# Altium PCB PCB2.PcbDoc (part 1 of 2)
Units mm, origin at the board's own origin, x right, y up, seen from the top; angles counter-clockwise.
Board outline 84.64 x 39.24 mm, 4 copper layers (Top Layer, Mid Layer 1, Mid Layer 2, Bottom Layer), stack 0.603 mm thick; 97 components, 60 nets, 298 pads, 184 vias.
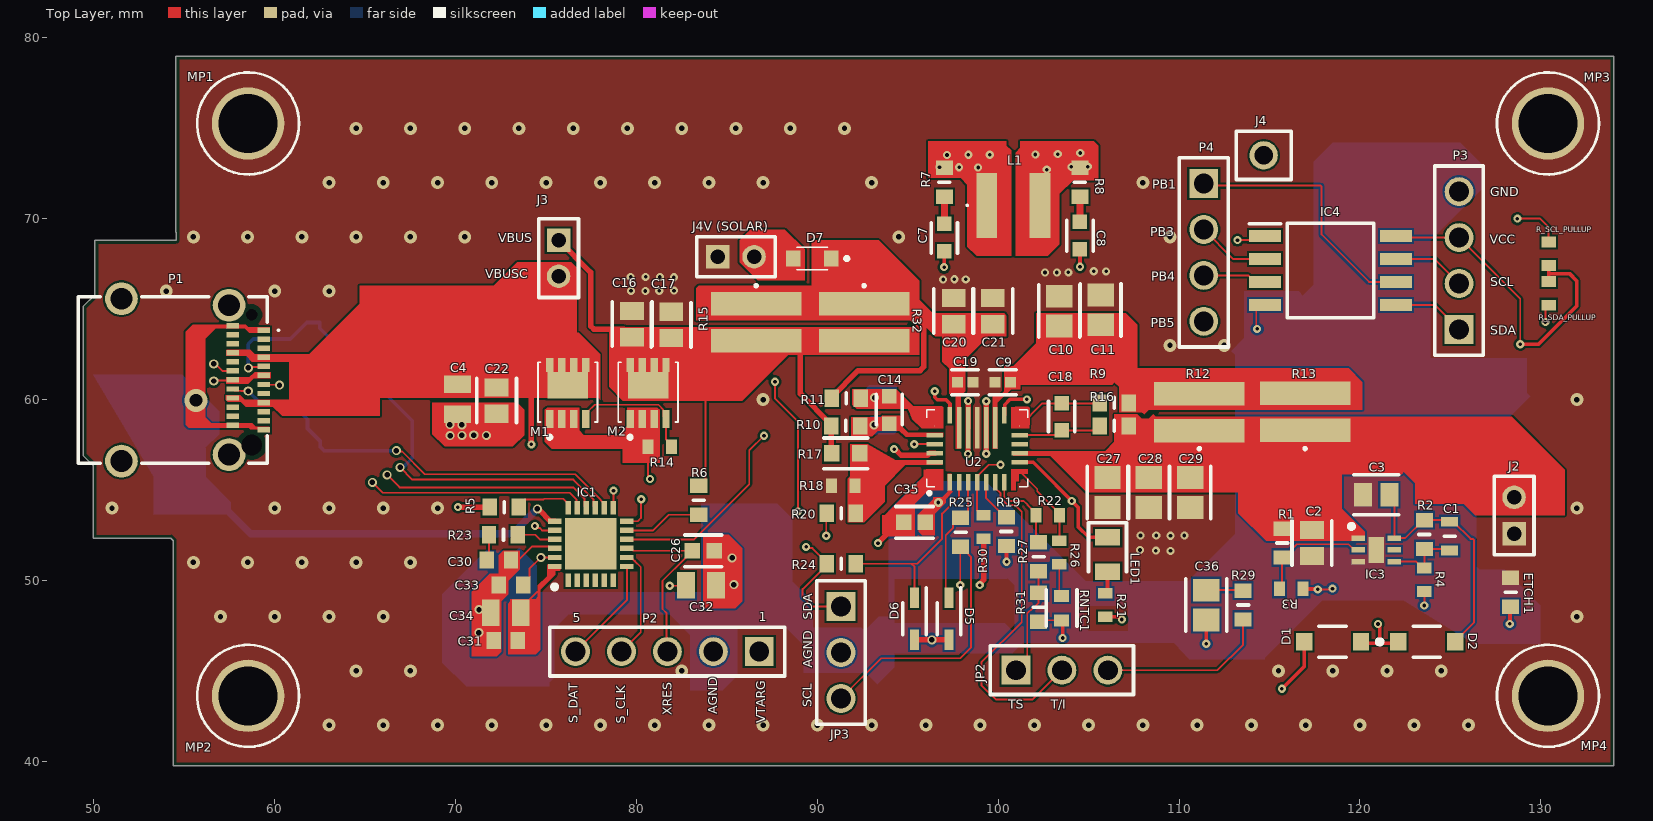
[diagram p0: Top Layer view]
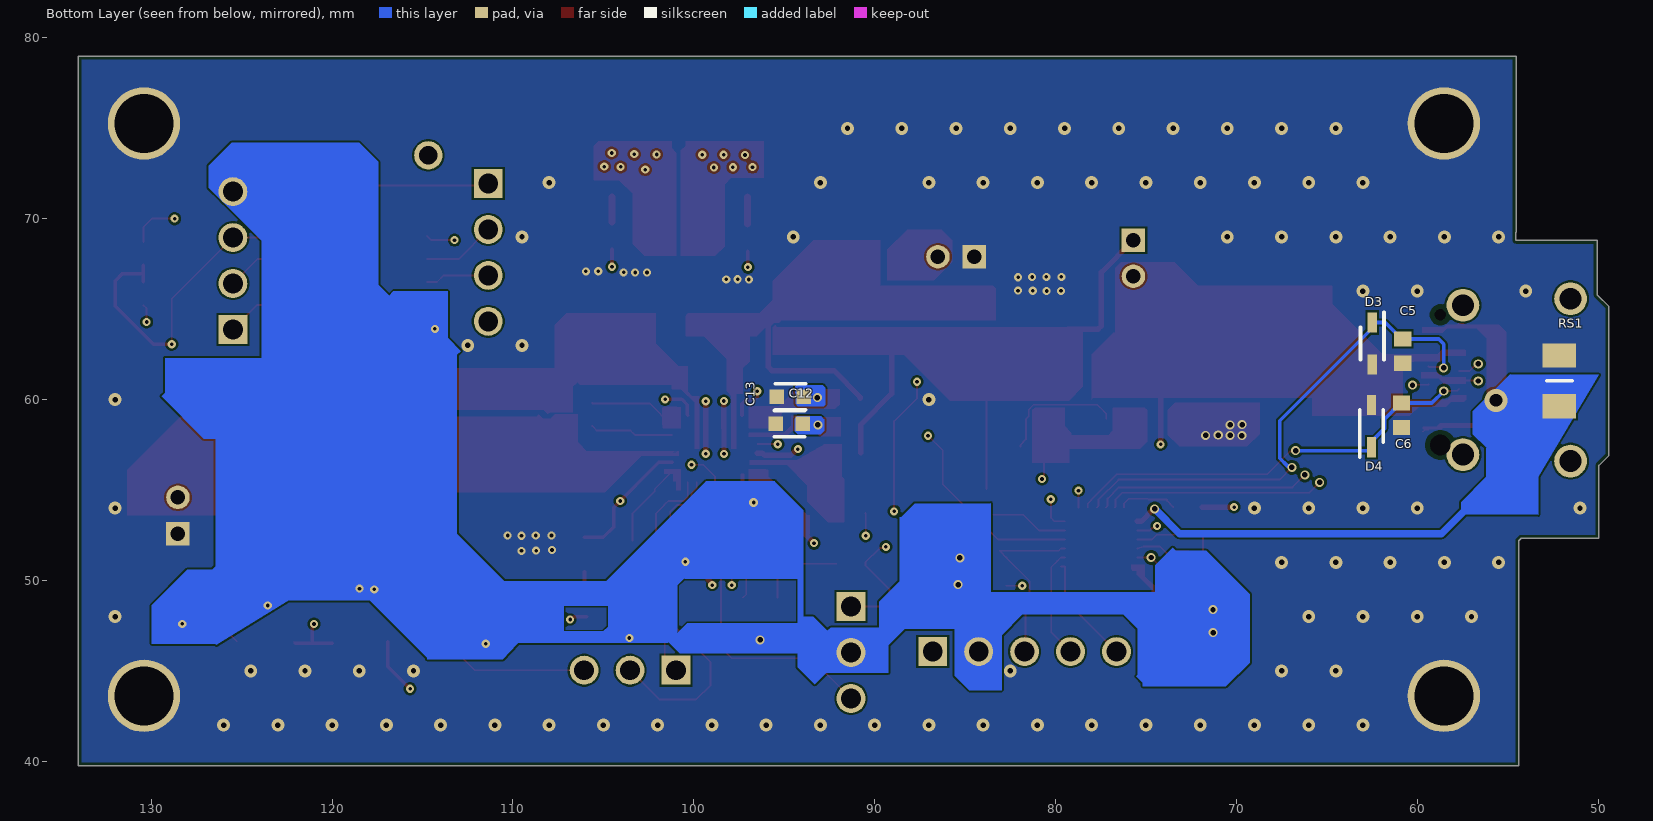
[diagram p1: Bottom Layer view, seen from below]
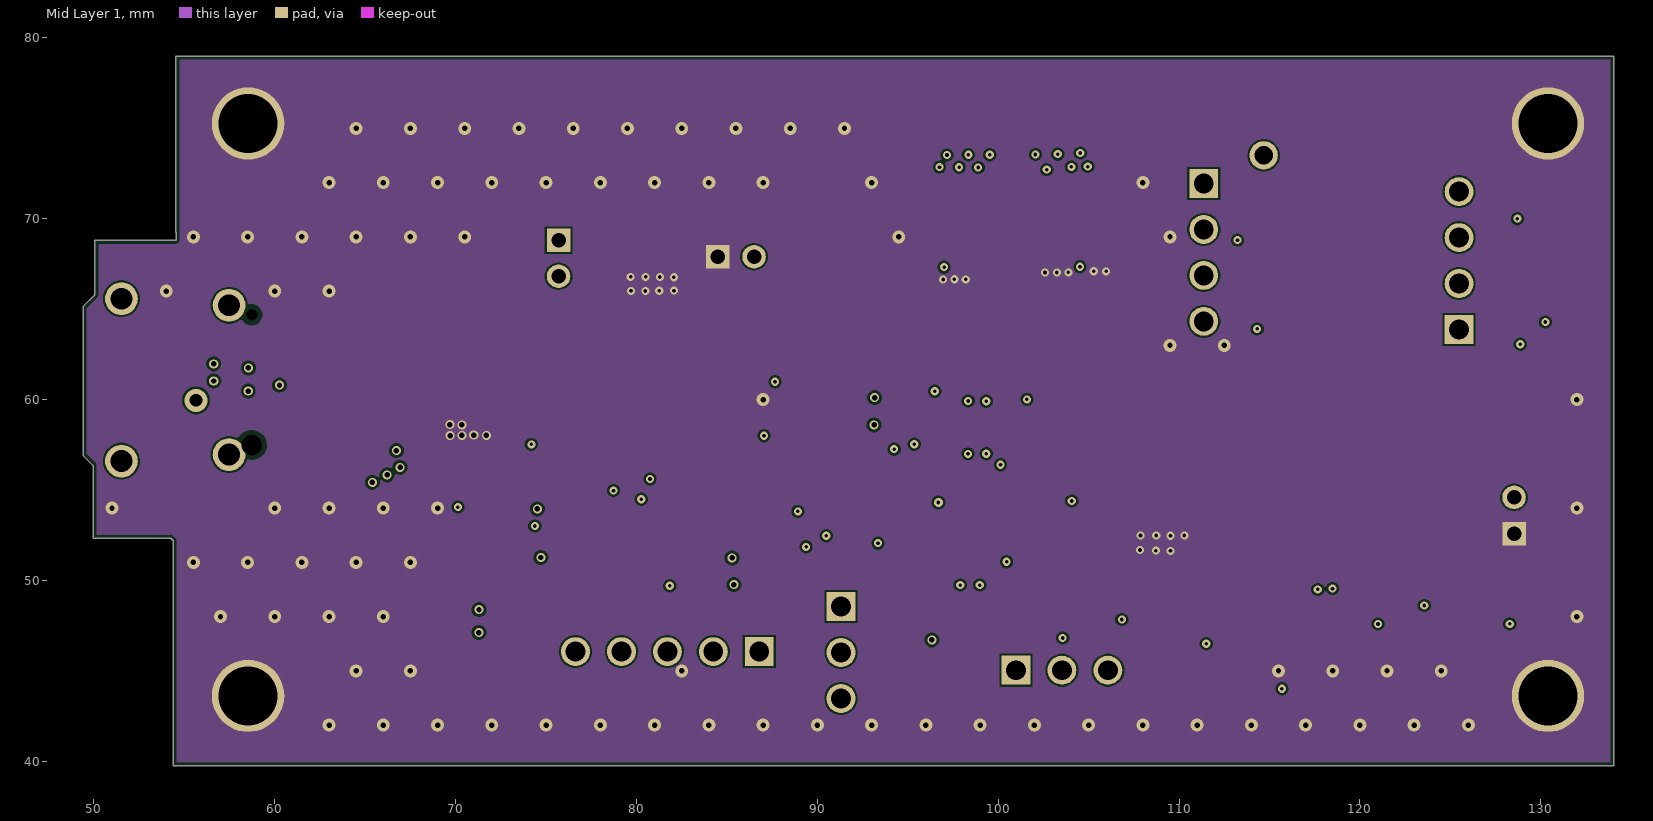
[diagram p2: Mid Layer 1]
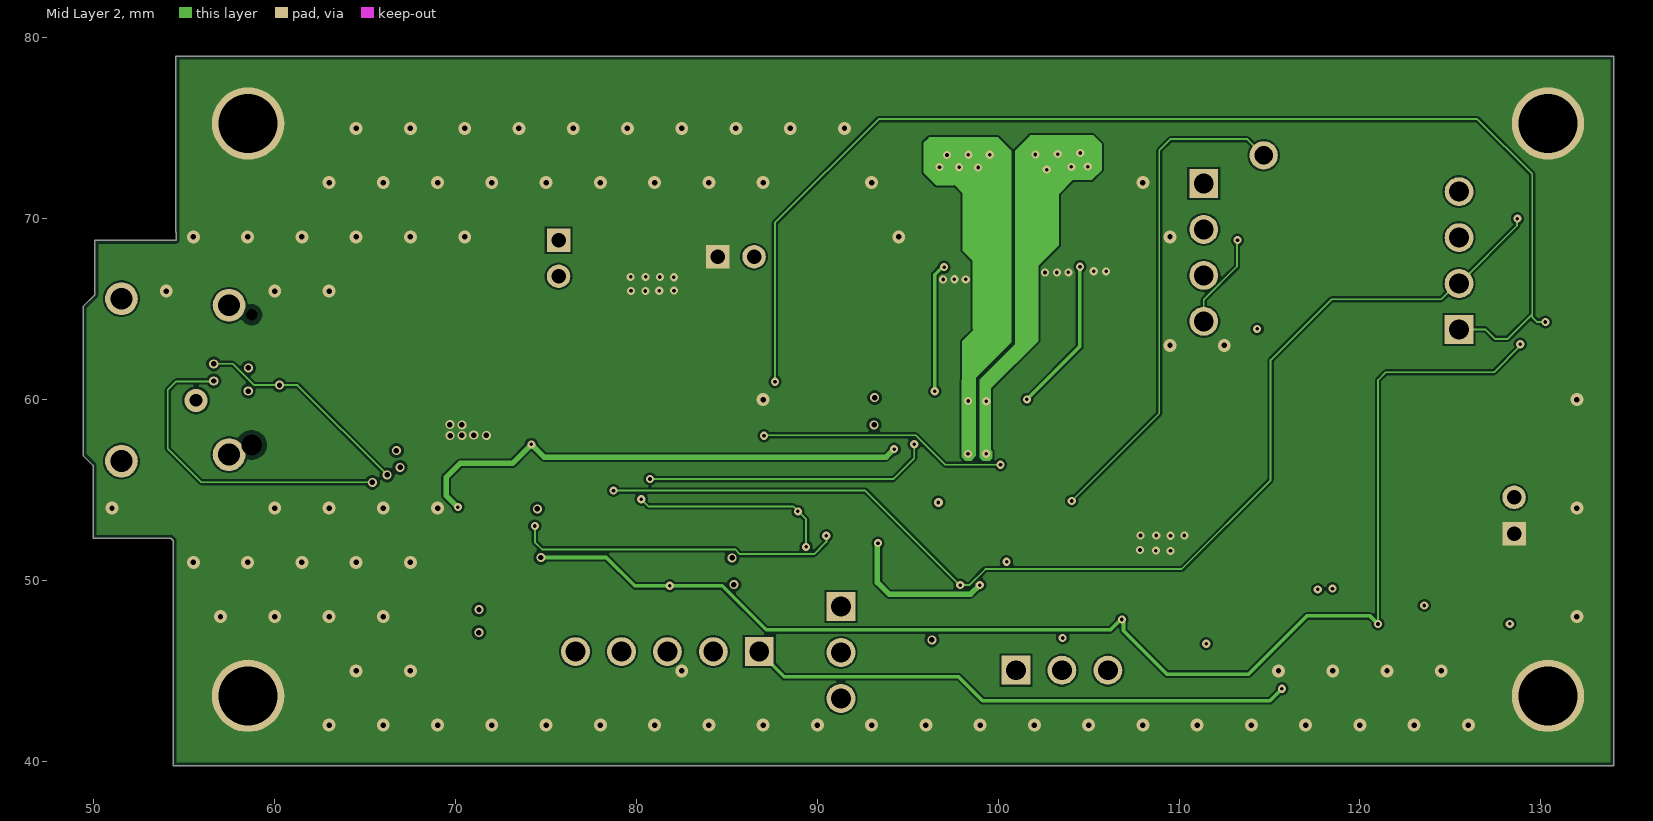
[diagram p3: Mid Layer 2]
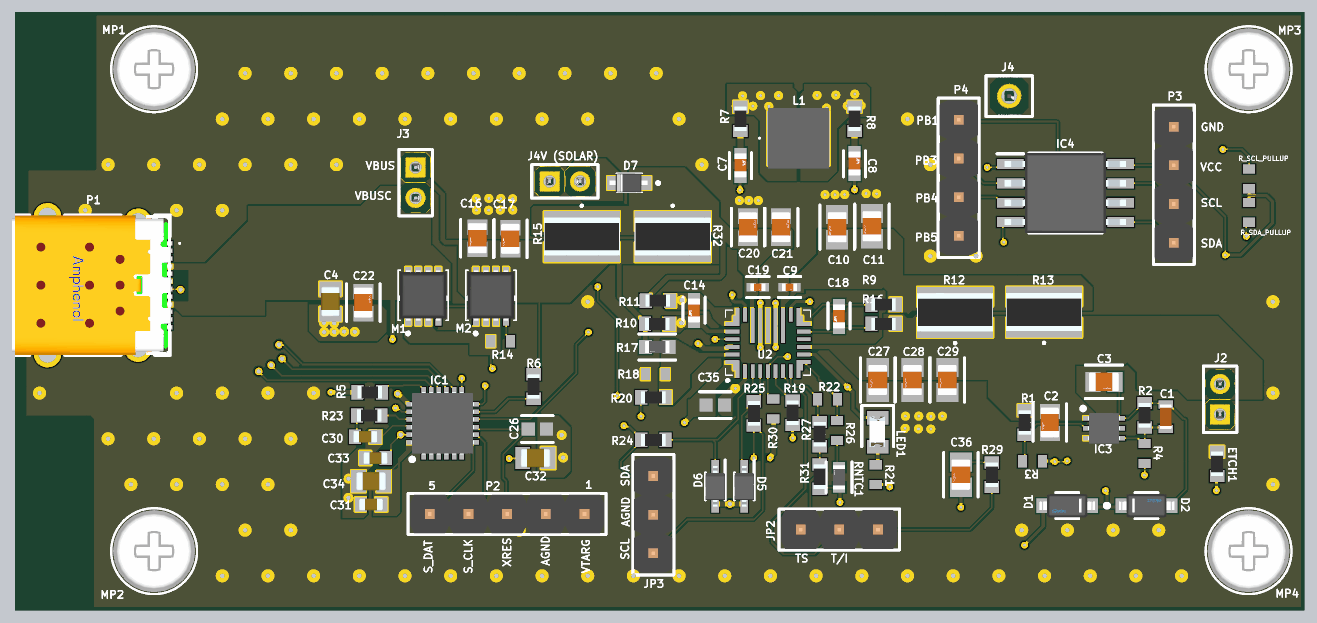
[diagram p5: 3D render of the assembled board from above, using the file's embedded part models]
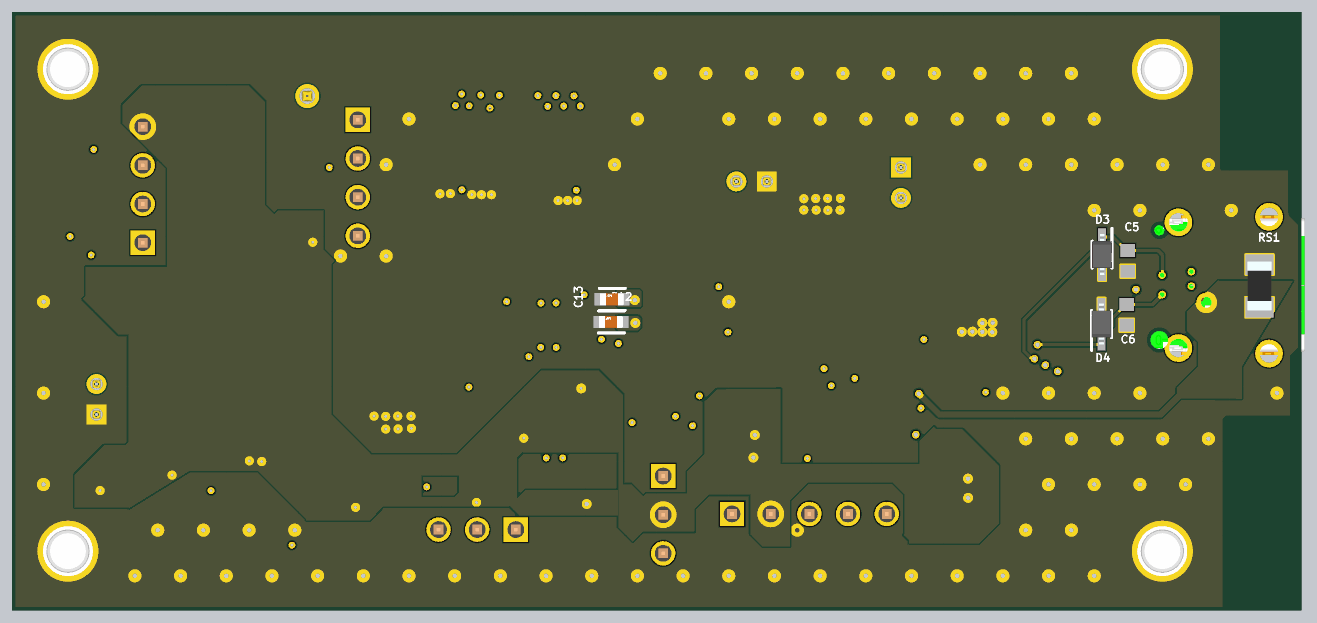
[diagram p6: 3D render of the assembled board from below, using the file's embedded part models]

## Layer stack, top to bottom
Top Solder: solder mask 0.0102, Solder Resist, Dk 3.5
Top Layer: signal copper 0.0356
Dielectric 2: prepreg 0.0711, PP-006, Dk 4.1
Mid Layer 1: signal copper 0.035
Dielectric 1: dielectric 0.32, FR-4, Dk 4.8
Mid Layer 2: signal copper 0.035
Dielectric 3: prepreg 0.0711, PP-006, Dk 4.1
Bottom Layer: signal copper 0.0356
Bottom Solder: solder mask 0.0102, Solder Resist, Dk 3.5

## Board outline
54.51,69.254 54.53,69.274 54.53,78.987 134.038,78.987 134.038,39.751 54.388,39.751 54.388,52.196 54.25,52.334 49.952,52.334 49.952,56.363 49.401,56.914 49.401,65.143 50.057,65.799 50.057,68.806 54.532,68.806 54.538,68.812 54.538,69.258 54.529,69.267 54.529,69.298 54.53,69.299

## Design rules (kind name [scope] priority, off if disabled: settings)
BoardOutlineClearance [All] p1: gap=0.2 ignorepadtopadclearanceinfootprint=FALSE
Clearance [All] p1: gap=0.102 ignorepadtopadclearanceinfootprint=FALSE except(0.127: Arc-Via Track-Via SMDPad-Via THPad-Via Via-Via Via-Fill Via-Poly Via-Region Via-Text; 0.25: Arc-Hole Track-Hole SMDPad-Hole THPad-Hole Via-Hole Fill-Hole Poly-Hole Region-Hole Text-Hole)
ComponentClearance [All] p1: gap=0.102 collisioncheckmode=3 verticalgap=0.102 showdistances=TRUE
DiffPairsRouting [All] p1: maxlimit=0.102 minlimit=0.102 mostfreqgap=0.102 toplayer_minwidth=0.102 toplayer_maxwidth=1816.048 toplayer_prefwidth=0.102 midlayer1_minwidth=0.102 midlayer1_maxwidth=1816.048 midlayer1_prefwidth=0.102 midlayer2_minwidth=0.102 midlayer2_maxwidth=1816.048 midlayer2_prefwidth=0.102 bottomlayer_minwidth=0.102 bottomlayer_maxwidth=1816.048 bottomlayer_prefwidth=0.102 maxuncoupledlength=12.7
Height [All] p1: minheight=0 maxheight=1816.048 prefheight=12.7
HoleSize [All] p1: absolutevalues=TRUE maxlimit=6.3 minlimit=0.2 maxpercent=80.000 minpercent=20.000
HoleToHoleClearance [All] p1: gap=0.25 allowstackedmicrovias=FALSE
MinimumAnnularRing [All] p1: minimumring=0.076
MinimumSolderMaskSliver [All] p1: minsoldermaskwidth=0
PlaneClearance [All] p1: clearance=0.102
PlaneConnect PlaneConnectPowerPads [InPadClass('PowerPads')] p1: planeconnectstyle=Direct reliefexpansion=0.508 reliefentries=4 reliefconductorwidth=0.254 reliefairgap=0.254
PlaneConnect [All] p2: pad.planeconnectstyle=Relief pad.reliefexpansion=0.3 pad.reliefentries=4 pad.reliefconductorwidth=0.102 pad.reliefairgap=0.102 via.planeconnectstyle=Direct via.reliefexpansion=0.3 via.reliefentries=4 via.reliefconductorwidth=0.127 via.reliefairgap=0.127
PolygonConnect PolygonConnectPowerPads [All vs (InPadClass('PowerPads'))] p1: connectstyle=Direct reliefconductorwidth=0.254 reliefentries=4 polygonreliefangle="90 Angle" airgapwidth=0.254
PolygonConnect [All] p2: connectstyle=Direct reliefconductorwidth=0.102 reliefentries=4 polygonreliefangle="90 Angle" airgapwidth=0.102
RoutingVias [All] p1: holewidth=0.2 width=0.45 viastyle="Through Hole" minholewidth=0.2 minwidth=0.45 maxholewidth=6.3 maxwidth=6.55
SilkToSilkClearance [All] p1: silktosilkclearance=0
SilkToSolderMaskClearance [IsPad] p1: minsilkscreentomaskgap=0.102 clearancetoexposedcopper=TRUE
SolderMaskExpansion [All] p1: expansion=0.075 istentingtop=FALSE
Width [All] p1: maxlimit=1816.048 minlimit=0.102 preferedwidth=0.102
20 further rules are at their usual default settings.

## Classes and differential pairs
component class Sheet6: IC4 J4 P3 P4
component class Sheet5: C12 C13 C14 C16 C17 C19 C20 C21 C22 D7 J3 "J4V (SOLAR)" M1 M2 R10 R11 R14 R15 R17 R32
component class Sheet4: C4 C5 C6 D3 D4 MP1 MP2 MP3 MP4 P1 R5 RS1
component class Sheet3: C7 C8 C9 C10 C11 C18 C27 C28 C29 C35 C36 D5 D6 ETCH1 J2 JP2 JP3 L1 LED1 R7 R8 R9 R12 R13 R16 R18 R19 R20 R21 R22 R24 R25 R26 R27 R29 R30 R31 R_SCL_PULLUP R_SDA_PULLUP RNTC1 U2
component class Sheet2: C1 C2 C3 D1 D2 IC3 R1 R2 R3 R4
component class Sheet1: C26 C30 C31 C32 C33 C34 IC1 P2 R6 R23

## Components (designator, comment, footprint, x,y, rotation, side; value= is the part's Value field where it differs from the comment)
C1 "C1608X7R1H102K080AE" CAPC1608X80N 124.968,52.451 r90 top
C2 "GRM21BR61E106KA73L" FP-GRM21B-0_15-IPC_C 117.348,52.07 r270 top
C3 "GRM21BR61E106KA73L" FP-GRM21B-0_15-IPC_C 120.904,54.737 r0 top
C4 "GRM21BR71A105KA01K" CAPC2012X145N 70.104,60.012 r270 top
C5 "GRM188R71H331KA01D" CAPC1608X90X35NL10T15 60.802,62.679 r90 bottom
C6 "GRM188R71H331KA01D" CAPC1608X90X35NL10T15 60.872,59.134 r90 bottom
C7 "885012206071" FP-885012206071-MFG 97.028,68.961 r90 top
C8 "885012206071" FP-885012206071-MFG 104.521,69.076 r90 top
C9 "GRM155R61E105KA12D" FP-GRM155-0_05-IPC_B 100.251,60.96 r0 top
C10 "GRM21BR61E226ME44L" FP-GRM21B-0_2-e0_2_0_7-IPC_B 103.378,64.897 r270 top
C11 "GRM21BR61E226ME44L" FP-GRM21B-0_2-e0_2_0_7-IPC_B 105.664,64.96 r270 top
C12 "NC" FP-885012206071-MFG 94.73,58.674 r0 bottom
C13 "NC" FP-885012206071-MFG 94.675,60.158 r0 bottom
C14 "885012206071" FP-885012206071-MFG 93.98,59.424 r270 top
C16 "GRM21BR61E106KA73L" FP-GRM21B-0_15-IPC_C 79.756,64.171 r270 top
C17 "GRM21BR61E106KA73L" FP-GRM21B-0_15-IPC_C 81.915,64.135 r270 top
C18 "885012206071" FP-885012206071-MFG 103.505,59.043 r270 top
C19 "GRM155R61E105KA12D" FP-GRM155-0_05-IPC_B 98.171,60.96 r0 top
C20 "GRM21BR61E106KA73L" FP-GRM21B-0_15-IPC_C 97.536,64.897 r90 top
C21 "GRM21BR61E106KA73L" FP-GRM21B-0_15-IPC_C 99.695,64.897 r90 top
C22 "GRM21BR61E106KA73L" FP-GRM21B-0_15-IPC_C 72.263,59.944 r90 top
C26 "GRM188R61E475KE11D" FP-GRM188-0_15-IPC_C 83.694,51.64 r180 top
C27 "GRM21BR61E226ME44L" FP-GRM21B-0_2-e0_2_0_7-IPC_B 106.045,54.864 r270 top
C28 "GRM21BR61E226ME44L" FP-GRM21B-0_2-e0_2_0_7-IPC_B 108.331,54.864 r270 top
C29 "NC" FP-GRM21B-0_2-e0_2_0_7-IPC_B 110.617,54.864 r270 top
C30 "885012206071" CAPC1608X87N 72.391,51.132 r0 top
C31 "885012206071" CAPC1608X87N 72.772,46.687 r180 top
C32 "GRM21BR71A105KA01K" CAPC2012X145N 83.567,49.735 r0 top
C33 "885012206071" CAPC1608X87N 73.061,49.735 r0 top
C34 "GRM21BR71A105KA01K" CAPC2012X145N 72.772,48.211 r0 top
C35 "GRM188R61E475KE11D" FP-GRM188-0_15-IPC_C 95.377,53.213 r0 top
C36 "NC" FP-GRM21B-0_2-e0_2_0_7-IPC_B 111.506,48.641 r270 top
D1 "B0520LW-7-F" FP-SOD123-MFG 118.491,46.609 r180 top value=170pF
D2 "B0520LW-7-F" FP-SOD123-MFG 123.698,46.609 r0 top value=170pF
D3 "VLIN1626-02GHE3-18" SOD2713X115N 62.487,63.101 r270 bottom
D4 "VLIN1626-02GHE3-18" SOD2713X115N 62.522,58.537 r90 bottom
D5 "VLIN1626-02GHE3-18" SOD2713X115N 97.282,47.879 r270 top
D6 "VLIN1626-02GHE3-18" SOD2713X115N 95.377,47.879 r270 top
D7 "1SS355VMTE-17" UDZVTE1722B 90.2,67.8 r270 top
ETCH1 "RC0603JR-070RL" RESC1608X55N 128.331,49.351 r270 top
IC1 "CYPD3171-24LQXQT" QFN50P400X400X60-25N-D 77.471,52.021 r90 top
IC3 "MP2013AGG-Z" SON65P200X200X100-7N-D 120.904,51.689 r0 top
IC4 "ATTINY85-20SU" SOIC127P798X216-8N 118.375,67.138 r0 top
J2 "M22-2510205" FP-M22-2510205-MFG 128.524,53.594 r90 top
J3 "M22-2510205" FP-M22-2510205-MFG 75.692,67.818 r270 top
J4 "PBC01SAAN" FP-PBC01SAAN-MFG 114.679,73.506 r0 top
"J4V (SOLAR)" "M22-2510205" FP-M22-2510205-MFG 85.5,67.9 r0 top
JP2 "61300311121" 61300311121 103.522,45.037 r0 top
JP3 "61300311121" 61300311121 91.307,46.015 r270 top
L1 "MPL-SE4030-2R2" MPLSE40302R2 100.838,70.739 r0 top
LED1 "150080VS75000" LEDC2012X80N 106.045,51.435 r270 top
M1 "SISA14DN-T1-GE3" SQ7414AENT1GE3 76.2,59.944 r90 top
M2 "SISA14DN-T1-GE3" SQ7414AENT1GE3 80.645,59.944 r90 top
MP1 "9901" FP-9901-MFG 58.525,75.27 r0 top
MP2 "9901" FP-9901-MFG 58.525,43.62 r0 top
MP3 "9901" FP-9901-MFG 130.397,75.27 r0 top
MP4 "9901" FP-9901-MFG 130.397,43.62 r0 top
P1 "12401598E4#2A" 12401598E42A 54.356,61.087 r270 top
P2 "61300511121" 61300511121 81.706,46.065 r180 top
P3 "61300411121" 61300411121 125.485,67.688 r90 top
P4 "61300411121" 61300411121 111.365,68.139 r270 top
R1 "RC0603JR-070RL" RESC1608X55N 115.697,52.07 r270 top
R2 "RC0603JR-072ML" RESC1608X55N 123.571,52.54 r90 top
R3 "RC0603JR-075K1L" RESC1608X55X25LL10T15 116.205,49.53 r180 top
R4 "RC0603FR-071ML" RESC1608X55X25LL10T15 123.571,50.038 r90 top
R5 "RC0603JR-070RL" RESC1608X55N 72.683,54.053 r180 top
R6 "RC0603JR-070RL" RESC1608X55N 83.44,54.434 r270 top
R7 "RC0603JR-070RL" RESC1608X55N 97.028,72.009 r270 top
R8 "RC0603JR-070RL" RESC1608X55N 104.521,72.009 r270 top
R9 "SFR03EZPJ2R0" RESC1608X55N 106.426,59.817 r180 top
R10 "SFR03EZPJ2R0" RESC1608X55N 91.567,58.547 r0 top
R11 "SFR03EZPJ2R0" RESC1608X55N 91.605,60.071 r0 top
R12 "ERJ-C1CFR02U" ERJC1 111.125,59.309 r90 top
R13 "ERJ-C1CFR02U" ERJC1 116.967,59.318 r90 top
R14 "RC0603FR-071ML" RESC1608X55X25LL10T15 81.28,57.404 r0 top
R15 "ERJ-C1CFR02U" ERJC1 86.614,64.271 r270 top
R16 "SFR03EZPJ2R0" RESC1608X55N 106.426,58.547 r180 top
R17 "RC0603FR-07200KL" FP-RC0603-0_55-IPC_B 91.567,57.023 r180 top
R18 "RC0603FR-0713KL" RESC1608X55X25LL10T15 91.44,55.245 r0 top
R19 "RC0603JR-070RL" RESC1608X55N 100.457,52.705 r90 top
R20 "RC0603JR-070RL" RESC1608X55N 91.313,53.721 r0 top
R21 "RC0603FR-072KL" RESC1608X55X25LL10T15 105.918,48.641 r90 top
R22 "RC0603FR-0715KL" RESC1608X55X25LL10T15 102.743,53.594 r0 top
R23 "RC0603JR-070RL" RESC1608X55N 72.645,52.529 r180 top
R24 "SFR03EZPJ2R0" RESC1608X55N 91.313,50.927 r0 top
R25 "SFR03EZPJ2R0" RESC1608X55N 97.917,52.667 r90 top
R26 "RC0603JR-075K1L" RESC1608X55X25LL10T15 103.378,51.547 r90 top
R27 "RC0603JR-07100KL" RESC1608X55N 102.235,51.308 r90 top
R29 "RC0603JR-070RL" RESC1608X55N 113.538,48.641 r90 top
R30 "RC0603JR-075K1L" RESC1608X55X25LL10T15 99.187,52.959 r90 top
R31 "RC0603JR-07100KL" RESC1608X55N 102.235,48.514 r90 top
R32 "ERJ-C1CFR02U" ERJC1 92.583,64.271 r270 top
R_SCL_PULLUP "RC0603FR-072KL" RESC1608X55X25LL10T15 130.433,68.068 r90 top
R_SDA_PULLUP "RC0603FR-072KL" RESC1608X55X25LL10T15 130.433,65.871 r270 top
RNTC1 "RC0603FR-0710KL" FP-RC0603-0_55-IPC_C 103.505,48.472 r90 top
RS1 "PA1206FRF070R005L" RESC3216X65N 52.144,61.037 r90 bottom
U2 "MP2651" MP2651 98.679,57.277 r90 top
